# Altium PCB switching_board.PcbDoc
Units mil, origin at the board's own origin, x right, y up, seen from the top; angles counter-clockwise.
Board outline 3490 x 2380 mil, 2 copper layers (L1, L2), stack 62.756 mil thick; 45 components, 57 nets, 196 pads, 31 vias.
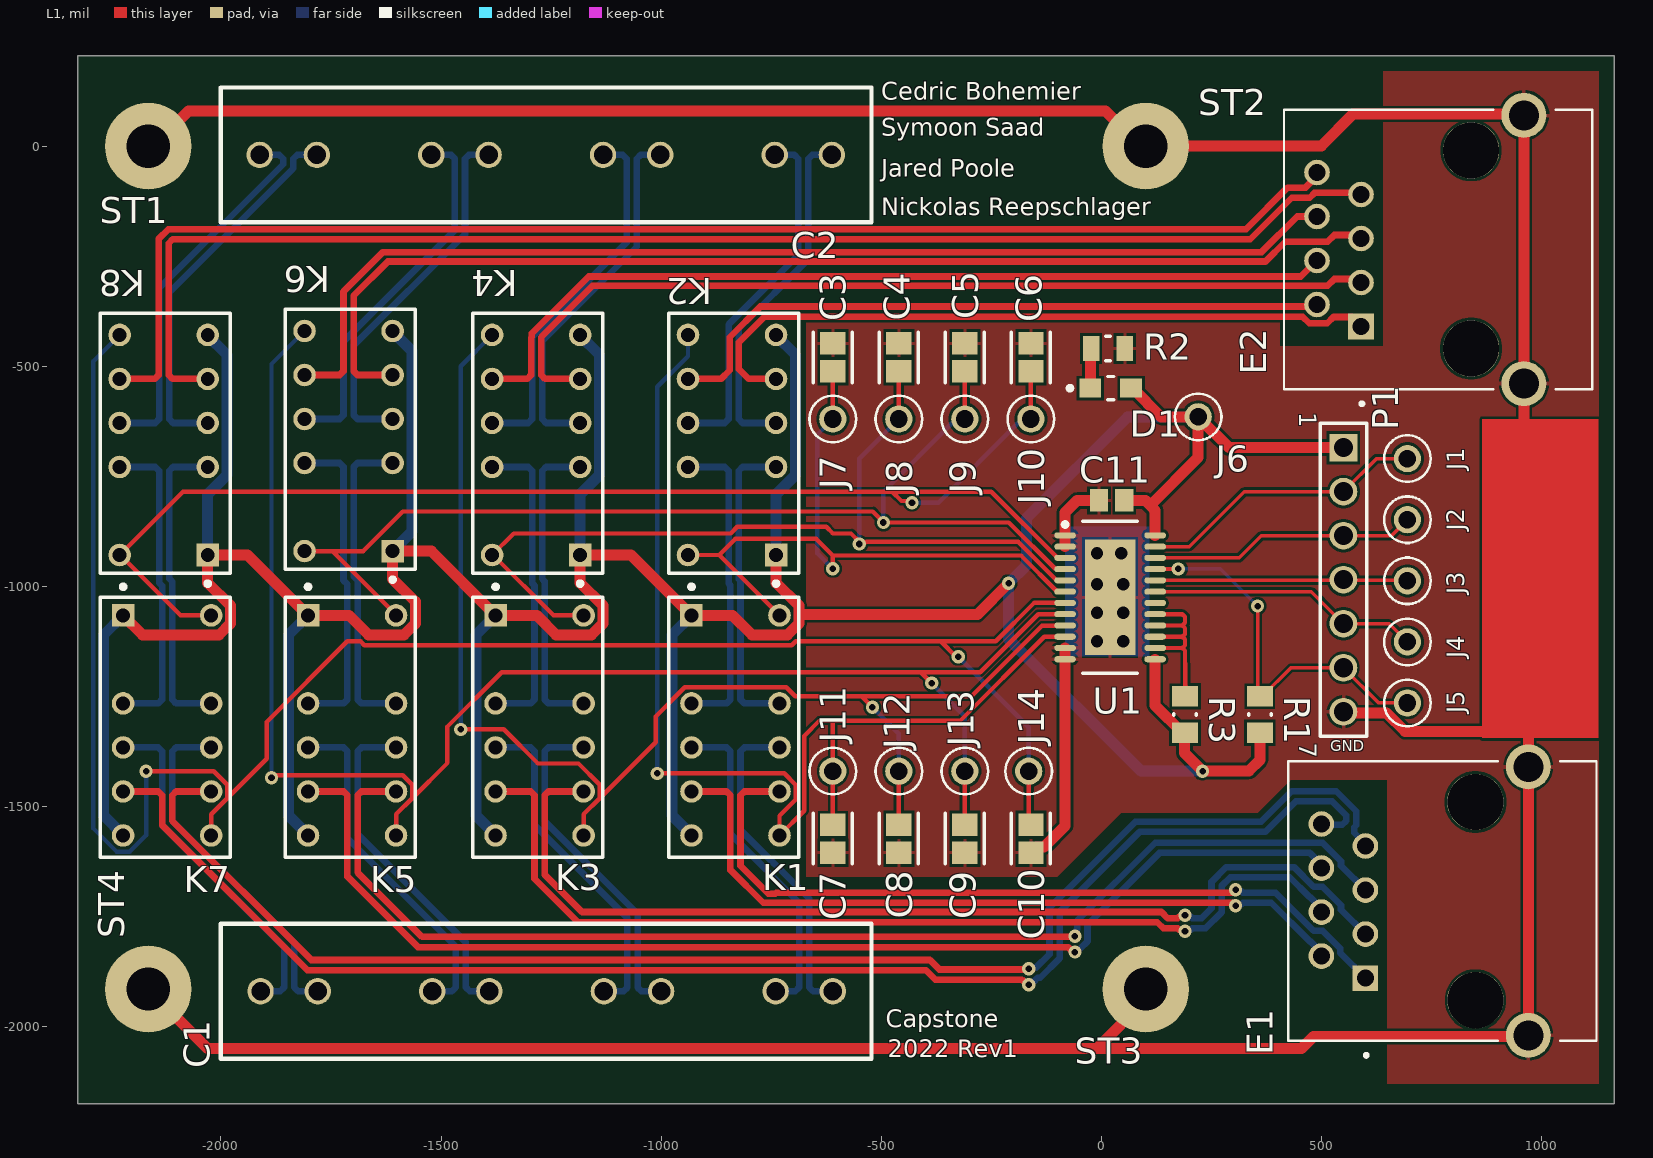
[diagram p0: L1 view]
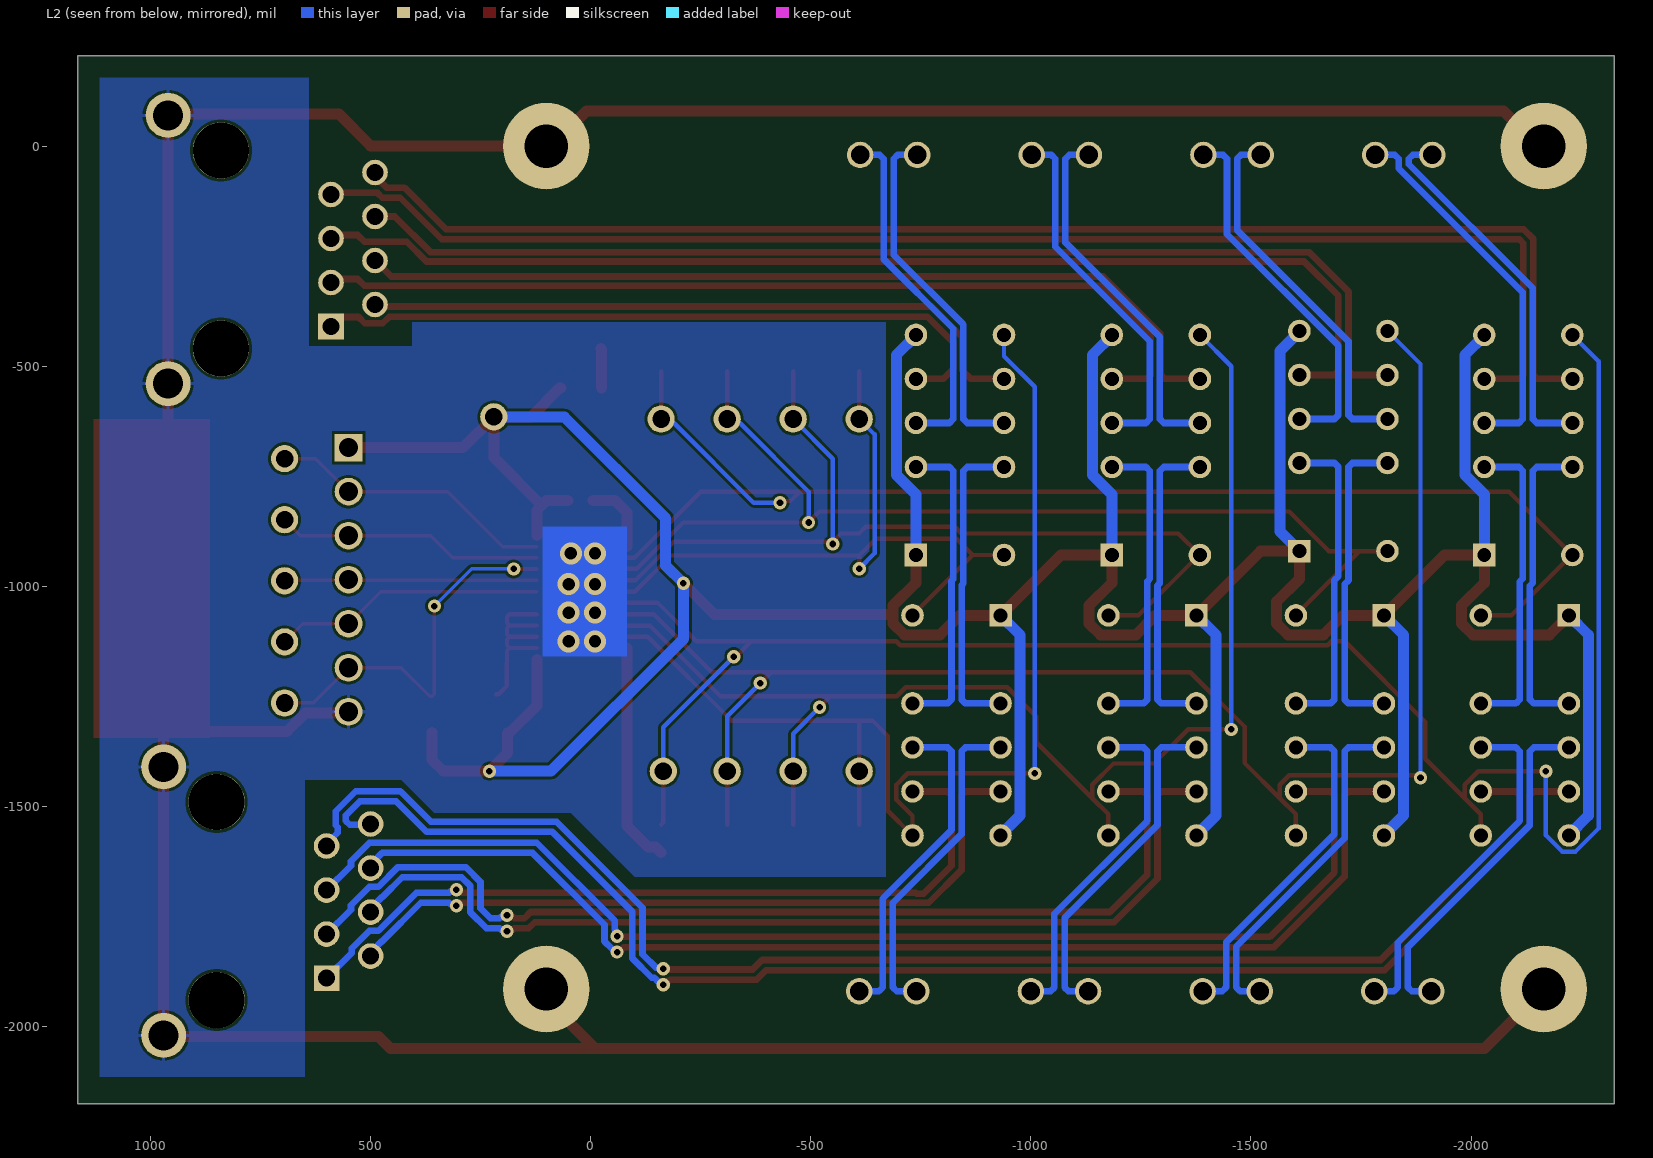
[diagram p1: L2 view, seen from below]
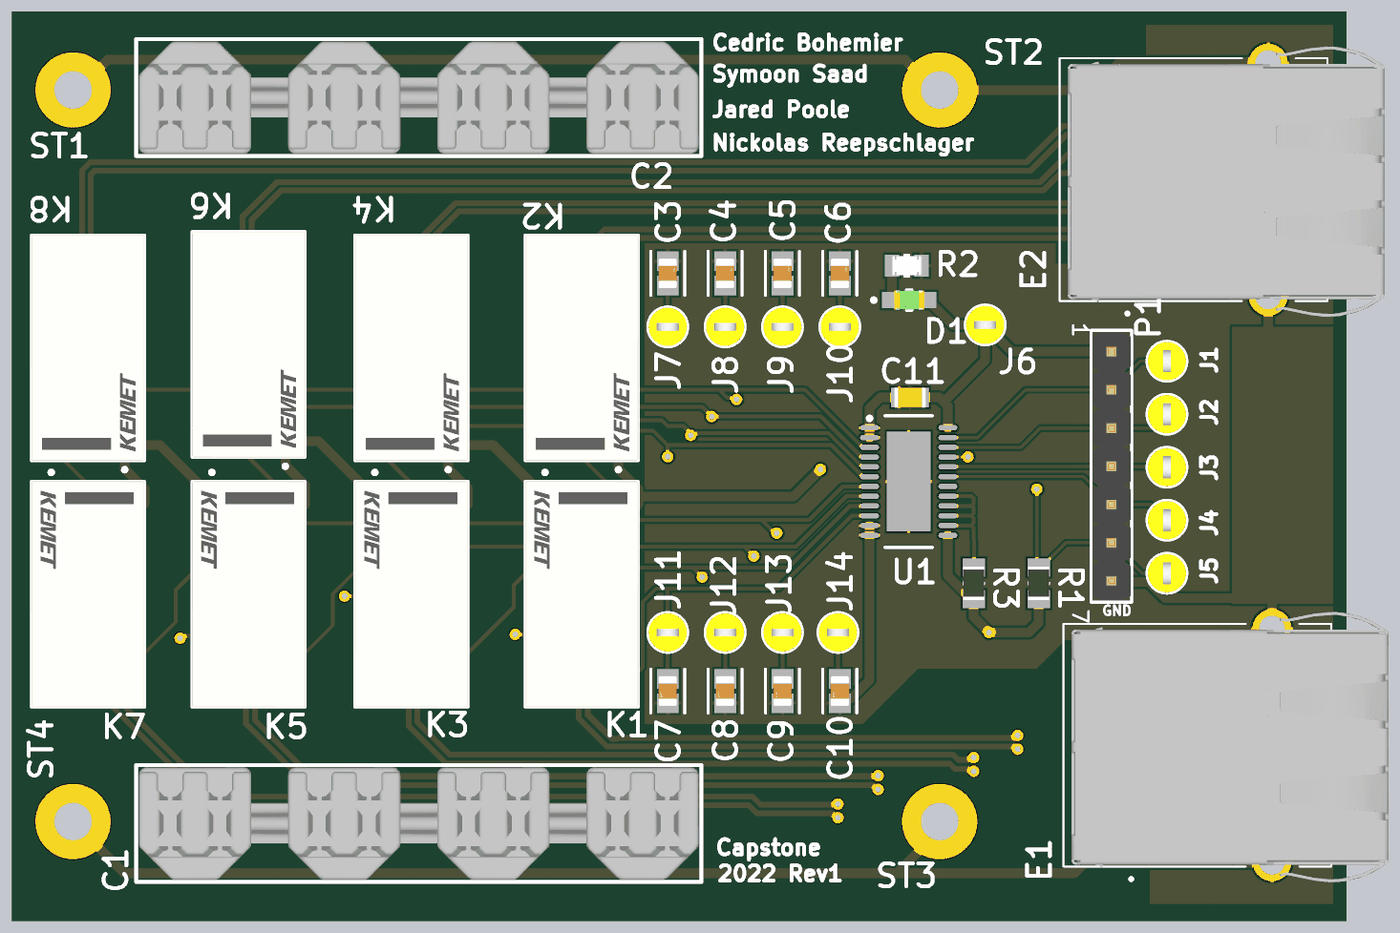
[diagram p2: 3D render of the assembled board from above, using the file's embedded part models]

## Layer stack, top to bottom
Top Solder: solder mask 0.1, Solder Resist, Dk 1
L1: signal copper 1.378
Core: dielectric 60, FR-4, Dk 4.6
L2: signal copper 1.378
Bottom Solder: solder mask 0.1, Solder Resist, Dk 1

## Board outline
-2325,-2175 -2325,205 1165,205 1165,-2175

## Design rules (kind name [scope] priority, off if disabled: settings)
BoardOutlineClearance [All] p1: gap=15 ignorepadtopadclearanceinfootprint=FALSE
Clearance [All] p1: gap=6 ignorepadtopadclearanceinfootprint=FALSE except(0: Arc-Hole Track-Hole SMDPad-Hole THPad-Hole Via-Hole Fill-Hole Poly-Hole Region-Hole Text-Hole)
ComponentClearance [All] p1: gap=1 collisioncheckmode=3 verticalgap=1 showdistances=FALSE
DiffPairsRouting [All] p1: maxlimit=393.7 minlimit=6 mostfreqgap=8 substack1={BBB14EE7-4036-4865-A1E7-7F95933931FE} toplayer_{bbb14ee7-4036-4865-a1e7-7f95933931fe}_minwidth=15 toplayer_{bbb14ee7-4036-4865-a1e7-7f95933931fe}_maxwidth=15 toplayer_{bbb14ee7-4036-4865-a1e7-7f95933931fe}_prefwidth=15 bottomlayer_{bbb14ee7-4036-4865-a1e7-7f95933931fe}_minwidth=15 bottomlayer_{bbb14ee7-4036-4865-a1e7-7f95933931fe}_maxwidth=15 bottomlayer_{bbb14ee7-4036-4865-a1e7-7f95933931fe}_prefwidth=15 toplayer_minwidth=6 toplayer_maxwidth=15 toplayer_prefwidth=8 bottomlayer_minwidth=6 bottomlayer_maxwidth=15 bottomlayer_prefwidth=8 maxuncoupledlength=500
HoleSize [All] p1: absolutevalues=TRUE maxlimit=265 minlimit=13 maxpercent=80.000 minpercent=20.000
HoleToHoleClearance [All] p1: gap=10 allowstackedmicrovias=FALSE
MinimumAnnularRing [All] p1: minimumring=7
MinimumSolderMaskSliver [All] p1: minsoldermaskwidth=0
PlaneClearance [All] p1: clearance=10
PlaneConnect [All] p1: planeconnectstyle=Relief reliefexpansion=16 reliefentries=2 reliefconductorwidth=6 reliefairgap=6
PolygonConnect [All] p1: connectstyle=Relief reliefconductorwidth=8 reliefentries=4 polygonreliefangle="90 Angle" airgapwidth=6
RoomDefinition Sheet2 [InComponentClass('Sheet2')] p1: confinementstyle=ConfineIn formatcopy=TRUE lockcomponents=FALSE outline -2985,-2275 1515,-2275 1515,425 -2985,425
RoutingCorners [All] p1: cornerstyle=45-Degree minsetback=49.21 maxsetback=49.21
RoutingVias [All] p1: holewidth=15 width=30 viastyle="Through Hole" minholewidth=13 minwidth=27 maxholewidth=100 maxwidth=114
SilkToSilkClearance [All] p1: silktosilkclearance=0
SilkToSolderMaskClearance [IsPad] p1: minsilkscreentomaskgap=6 clearancetoexposedcopper=TRUE
SolderMaskExpansion [All] p1: expansion=2.95 istentingtop=FALSE
Width [All] p1: maxlimit=400 minlimit=6 preferedwidth=8 substack1={BBB14EE7-4036-4865-A1E7-7F95933931FE}
20 further rules are at their usual default settings.

## Classes and differential pairs
component class Sheet2: C1 C2 C3 C4 C5 C6 C7 C8 C9 C10 C11 D1 E1 E2 J1 J2 J3 J4 J5 J6 J7 J8 J9 J10 J11 J12 J13 J14 K1 K2 K3 K4 K5 K6 K7 K8 P1 ST1 ST2 ST3 ST4 U1
differential pair A_HB_P1: +A_HB_P1_P -A_HB_P1_N
differential pair A-HB_P4: +A-HB_P4_P -A-HB_P4_N
differential pair A-HB_P3: +A-HB_P3_P -A-HB_P3_N
differential pair A-HB_P2: +A-HB_P2_P -A-HB_P2_N
differential pair A-HA_P4: +A-HA_P4_P -A-HA_P4_N
differential pair A-HA_P3: +A-HA_P3_P -A-HA_P3_N
differential pair A-HA_P2: +A-HA_P2_P -A-HA_P2_N
differential pair A-HA_P1: +A-HA_P1_P -A-HA_P1_N
differential pair P_P4: +P_P4_P -P_P4_N
differential pair P_P3: +P_P3_P -P_P3_N
differential pair P_P2: +P_P2_P -P_P2_N
differential pair P_P1: +P_P1_P -P_P1_N
differential pair HB_P4: +HB_P4_P -HB_P4_N
differential pair HB_P3: +HB_P3_P -HB_P3_N
differential pair HB_P2: +HB_P2_P -HB_P2_N
differential pair HB_P1: +HB_P1_P -HB_P1_N
differential pair HA_P4: +HA_P4_P -HA_P4_N
differential pair HA_P3: +HA_P3_P -HA_P3_N
differential pair HA_P2: +HA_P2_P -HA_P2_N
differential pair HA_P1: +HA_P1_P -HA_P1_N

## Components (designator, comment, footprint, x,y, rotation, side; value= is the part's Value field where it differs from the comment)
C1 "SS-51000-004" SS-51000-004-Footprint-1 -610,-1920 r180 top
C2 "SS-51000-004" SS-51000-004-Footprint-1 -1912,-20 r0 top
C3 "08055C472KAT2A" FP-0805-L_2_01_0_2-W_1_25-IPC_B -610,-480 r90 top
C4 "08055C472KAT2A" FP-0805-L_2_01_0_2-W_1_25-IPC_B -460,-480 r90 top
C5 "08055C472KAT2A" FP-0805-L_2_01_0_2-W_1_25-IPC_B -310,-480 r90 top
C6 "08055C472KAT2A" FP-0805-L_2_01_0_2-W_1_25-IPC_B -160,-480 r90 top
C7 "08055C472KAT2A" FP-0805-L_2_01_0_2-W_1_25-IPC_B -610,-1573.28 r270 top
C8 "08055C472KAT2A" FP-0805-L_2_01_0_2-W_1_25-IPC_B -460,-1573.28 r270 top
C9 "08055C472KAT2A" FP-0805-L_2_01_0_2-W_1_25-IPC_B -310,-1573.28 r270 top
C10 "08055C472KAT2A" FP-0805-L_2_01_0_2-W_1_25-IPC_B -160,-1573.28 r270 top
C11 "Capacitor 100 nF +/-10% 50 V 0805" CAPC2013X95X50LL10T25 23.54,-805 r0 top value=100nF
D1 "APT2012LZGCK" FP-APT2012LZGCK-MFG 21.26,-550 r0 top
E1 "SS-7188S-A-PG4-1-BA" SS-7188S-A-PG4-1-BA-Footprint-1 424.92,-2025.08 r90 top
E2 "SS-7188S-A-PG4-1-BA" SS-7188S-A-PG4-1-BA-Footprint-1 414.92,-544.92 r90 top
J1 "5004" FP-5004-MFG 695.31,-710 r90 top
J2 "5004" FP-5004-MFG 695.31,-848.75 r90 top
J3 "5004" FP-5004-MFG 695.31,-987.5 r90 top
J4 "5004" FP-5004-MFG 695.31,-1126.25 r90 top
J5 "5004" FP-5004-MFG 695.31,-1265 r90 top
J6 "5004" FP-5004-MFG 220,-615 r0 top
J7 "5004" FP-5004-MFG -610,-620 r180 top
J8 "5004" FP-5004-MFG -460,-620 r180 top
J9 "5004" FP-5004-MFG -310,-620 r180 top
J10 "5004" FP-5004-MFG -160,-620 r180 top
J11 "5004" FP-5004-MFG -610,-1420 r0 top
J12 "5004" FP-5004-MFG -460,-1420 r0 top
J13 "5004" FP-5004-MFG -310,-1420 r0 top
J14 "5004" FP-5004-MFG -165,-1420 r0 top
K1 "EC2-5TNU" FP-EC2-5TNU-MFG -835,-1320 r270 top
K2 "EC2-5TNU" FP-EC2-5TNU-MFG -835,-675 r90 top
K3 "EC2-5TNU" FP-EC2-5TNU-MFG -1280,-1320 r270 top
K4 "EC2-5TNU" FP-EC2-5TNU-MFG -1280,-675 r90 top
K5 "EC2-5TNU" FP-EC2-5TNU-MFG -1706.06,-1320 r270 top
K6 "EC2-5TNU" FP-EC2-5TNU-MFG -1706.06,-666.06 r90 top
K7 "EC2-5TNU" FP-EC2-5TNU-MFG -2126.06,-1320 r270 top
K8 "EC2-5TNU" FP-EC2-5TNU-MFG -2126.06,-675 r90 top
P1 "61300711121" 61300711121 550,-985 r270 top
R1 "Resistor 10k +/-1% 0805 125 mW" RESC2013X50X35ML15T15 360,-1291.34 r90 top value=10k
R2 "CRCW08051K20FKEA" FP-CRCW0805-e3-MFG 15,-460 r180 top
R3 "Resistor 10k +/-1% 0805 125 mW" RESC2013X50X35ML15T15 190,-1291.34 r270 top value=10k
ST1 "PTH-M2D5X5" PTH-M2D5X5 -2165,0 r0 top locked
ST2 "PTH-M2D5X5" PTH-M2D5X5 101,0 r0 top locked
ST3 "PTH-M2D5X5" PTH-M2D5X5 101,-1915 r0 top locked
ST4 "PTH-M2D5X5" PTH-M2D5X5 -2165,-1915 r90 top locked
U1 "TLE8108EM" INF-PG-SSOP-24-4_L 20,-1025 r0 top

## Footprints (in the part's own frame and the unit in brackets; to place one, negate y for a bottom-side part, rotate by r counter-clockwise, add the part's x,y. Pads: shape width x height; smd on the part's side, far side on the other; paste and mask are expansions set on the pad)
61300711121 [mm] "Pin Header, pitch 2.54 mm, THT, Vertical, single row, 7p"
  rect 1.6x1.6 hole 1.1: 1(-7.62,0)
  round 1.6 hole 1.1: 2(-5.08,0) 3(-2.54,0) 4(0,0) 5(2.54,0) 6(5.08,0) 7(7.62,0)
  silkscreen extent -9.04,-1.35 9.04,1.35, body extent -8.89,-1.27 8.89,1.27, height 8.57
CAPC2013X95X50LL10T25 [mm] "Chip Capacitor, 2-Leads, Body 2.10x1.35mm, IPC High Density"
  rect 1.05x1.3 smd: 1(-0.725,0) 2(0.725,0)
  body extent -1.05,-0.67 1.05,0.67, height 0.95
FP-0805-L_2_01_0_2-W_1_25-IPC_B [mil]
  rect 51.36x57.33 smd paste+0 mask+0: 1(-31.72,0) 2(31.72,0)
  silkscreen extent -57,-44 57,44, body extent -67,-39 67,39, height 10
FP-5004-MFG [mm]
  round 1.57 hole 1.02 paste-1000 mask+0: 1(0,0)
  silkscreen extent -1.34,-1.35 1.34,1.35, body extent -1.45,-1.45 1.45,1.45, height 0.25
FP-APT2012LZGCK-MFG [mm]
  rect 1.25x1.1 smd paste+0 mask+0: 1(-1.175,0) 2(1.175,0)
  silkscreen extent -2.47,-0.67 0.18,0.67, body extent -1.9,-0.77 1.9,0.77, height 0.25
FP-CRCW0805-e3-MFG [mm]
  rect 0.95x1.45 smd paste+0 mask+0: 1(-0.975,0) 2(0.975,0)
  silkscreen extent -0.13,-0.7 0.13,0.7, body extent -1.55,-0.82 1.55,0.82, height 0.25
FP-EC2-5TNU-MFG [mm]
  rect 1.3x1.3 hole 0.8 paste-1000 mask+0: 1(-6.45,-2.44)
  round 1.3 hole 0.8 paste-1000 mask+0: 3(-1.37,-2.44) 4(1.17,-2.44) 5(3.71,-2.44) 6(6.25,-2.44) 7(6.25,2.64) 8(3.71,2.64) 9(1.17,2.64) 10(-1.37,2.64) 12(-6.45,2.64)
  silkscreen extent -8.22,-3.75 7.5,3.75, body extent -7.6,-3.85 7.6,3.85, height 0.25
INF-PG-SSOP-24-4_L [mm] "SOP, 24-Leads, Body 8.65x3.9mm, Pitch 0.65mm, Thermal Pad 6.65x2.9mm, IPC High Density"
  oval 1.25x0.35 smd: 1(-2.6,3.575) 2(-2.6,2.925) 3(-2.6,2.275) 4(-2.6,1.625) 5(-2.6,0.975) 6(-2.6,0.325) 7(-2.6,-0.325) 8(-2.6,-0.975) 9(-2.6,-1.625) 10(-2.6,-2.275) 11(-2.6,-2.925) 12(-2.6,-3.575) 13(2.6,-3.575) 14(2.6,-2.925) 15(2.6,-2.275) 16(2.6,-1.625) 17(2.6,-0.975) 18(2.6,-0.325) 19(2.6,0.325) 20(2.6,0.975) 21(2.6,1.625) 22(2.6,2.275) 23(2.6,2.925) 24(2.6,3.575)
  rect 2.9x6.65 smd: 25(0,0)
  silkscreen extent -2.72,-4.37 1.58,4.37, body extent -2,-4.38 2,4.38, height 1.7
PTH-M2D5X5 [mm]
  round 5 hole 2.5: 1(0,0)
RESC2013X50X35ML15T15 [mm] "Chip Resistor, 2-Leads, Body 2.2x1.4mm, IPC Low Density"
  rect 1.2x1.5 smd: 1(-1.05,0) 2(1.05,0)
  silkscreen extent -0.05,-0.65 0.05,0.65, body extent -1.1,-0.7 1.1,0.7, height 0.5
SS-7188S-A-PG4-1-BA-Footprint-1 [mm]
  rect 1.478x1.478 hole 0.97: 1(3.429,-4.445)
  round 1.478 hole 0.97: 2(4.699,-1.905) 3(5.969,-4.445) 4(7.239,-1.905) 5(8.509,-4.445) 6(9.779,-1.905) 7(11.049,-4.445) 8(12.319,-1.905)
  round 3.25 hole 3.25 unplated: mech1(2.159,-10.795) mech2(13.589,-10.795)
  round 2.595 hole 1.73: S1(0.129,-13.845) S2(15.619,-13.845)
  silkscreen extent -1.13,-17.79 15.94,0.01, body extent -1.24,-21.56 16.74,-0.53, height 14.81
SS-51000-004-Footprint-1 [mil]
  round 60 hole 42: 1(0,0) 2(130,0) 3(390,0) 4(520,0) 5(780,0) 6(910,0) 7(1170,0) 8(1300,0)
  silkscreen extent -88,-153 1390,153, body extent -81,-147 1383,147, height 370

## Part data
C1 C2: library part CMP-002-00075-4, "Stewart Connector, Internal Part #: SS-51000-004"
C3 C4 C5 C6 C7 C8 C9 C10: library part CMP-1036-03594-3, "General Purpose Ceramic Capacitor, 0805, 4.7nF, 10%, X7R, 0.15, 50V", Capacitance=4.7nF, Case Code (Imperial)=0805, Case Code (Metric)=2012, Dielectric=X7R, Dielectric Material=Ceramic, Insulation Resistance=100GR, Max Operating Temperature=125°C, Min Operating Temperature=-55°C, Package Quantity=1, Tolerance=10%, Voltage=50V, Case/Package=0805, Construction=Flat, Contact Plating=Tin, Depth=1.25mm, Dissipation Factor=2.5%, Height=0.94mm, Lead Free="Lead Free", Length=2.01mm, Mount="Surface Mount", Number of Pins=2, Packaging="Tape and Reel", Radiation Hardening=No, REACH SVHC="No SVHC", RoHS Compliant=Yes, Series=-, Size=0.94mm, Termination=SMD/SMT, Thickness=0.037inch, Voltage Rating=50V, Voltage Rating (DC)=50V, Width=1.25mm
C11: library part CMP-001-00018-6, "Chip Capacitor, 100 nF, +/- 10%, 50 V, 0805 (2012 Metric)", Capacitor Type=Ceramic, Case/Package=0805, Max Operating Temperature=125°C, Min Operating Temperature=-55°C, Tolerance=10%, Voltage Rating=50V, Mounting Technology=SM, Pins=2, RoHS Compliant=True
D1: library part CMP-44529-000065-1, "LED GREEN CLEAR 2SMD", Case Code (Imperial)=0805, Case Code (Metric)=2012, Color=Green, Forward Voltage=2.65V, Lens Color=Colorless, Test Current=2mA, Case/Package=0805, Dominant Wavelength=525nm, Height=0.75mm, Lead Free="Lead Free", Length=2mm, Lens Transparency=Clear, Luminous Intensity=50mcd, Mount="Surface Mount", Packaging="Tape and Reel", RoHS Compliant=Yes, Viewing Angle=120°, Width=1.25mm
E1 E2: library part CMP-002-00072-1, "Conn Modular Jack F 8 POS 1.27mm Solder RA Thru-Hole 8 Terminal 1 Port"
J1 J2 J3 J4 J5 J6 J7 J8 J9 J10 J11 J12 J13 J14: library part CMP-2000-05575-2, "PC TEST POINT MINIATURE YELLOW", Manufacturer=Keystone, Automotive=No, Category=Conn, ComponentLink2Description=Datasheet, ComponentLink2URL=https://www.keyelco.com/product-pdf.cfm?p=1313, Contact Material=Silver, Device Class L1=Connectors, Device Class L2=unset, Device Class L3=unset, Digikey Description="PC TEST POINT MINIATURE YELLOW", Height=4.72mm, Is Female=yes, Lead Free=Yes, Manufacturer Part Number=5004, Mouser Description="TEST POINT PC MINI .040\"D YELLOW", Number Of Contacts=1, Octopart=https://octopart.com/5004-keystone-28591, Package=5004, RoHS=TRUE
K1 K2 K3 K4 K5 K6 K7 K8: library part CMP-03195-000012-1, "RELAY GEN PURPOSE DPDT 2A 5VDC", Coil Current=28mA, Coil Power=140mW, Coil Resistance=178R, Coil Voltage (DC)=5V, Contact Current Rating=2A, Max Operating Temperature=85°C, Max Voltage Rating (AC)=250V, Max Voltage Rating (DC)=220V, Min Operating Temperature=-40°C, Package Quantity=35, Coil Type="Latching, Dual Coil", Contact Material=Gold, Current Rating=2A, Depth=7.5mm, Height=9.4mm, Length=15mm, Max Current Rating=2A, Mount="Through Hole", Number of Pins=10, Number of Poles=1, Operate Time=2ms, Packaging=Rail/Tube, Power Consumption=140mW, Radiation Hardening=No, REACH SVHC="No SVHC", Relay Type="General Purpose", Release Time=1ms, RoHS Compliant=Yes, Termination="PC Pin", Throw Configuration=DPDT
P1: library part CMP-1502-01074-1, "THT Vertical Pin Header WR-PHD, Pitch 2.54 mm, Single Row, 7 pins", Contact Resistance=20mOhm, Manufacturer="Wurth Elektronik", Operating Temperature=-40to105degC, Rated Current=3A, Withstanding Voltage=500VAC, Working Voltage=250VAC, Datasheet URL=https://katalog.we-online.de/em/datasheet/6130xx11121.pdf, Gender=Male, Manufacturer URL=http://www.we-online.de, Mounting Technology=THT, Orientation=Vertical, Package Reference=61300711121, Packaging=Bag, Part Number=61300711121, Pin Number=7, Pitch=2.54mm, Publisher=WurthElektronik, Row Number=Single
R1 R3: library part CMP-009-00018-5, "Chip Resistor, 10 KOhm, +/- 1%, 125 mW, -55 to 155 degC, 0805 (2012 Metric)", Case/Package=0805, Max Operating Temperature=155°C, Min Operating Temperature=-55°C, Power=125mW, Tolerance=1%, Voltage Rating=150V, Mounting Technology=SM, Pins=2, RoHS Compliant=True
R2: library part CMP-2001-03607-2, "RES Thick Film, 1.2kΩ, 1%, 0.125W, 100ppm/°C, 0805", Case Code (Imperial)=0805, Case Code (Metric)=2012, Max Operating Temperature=155°C, Max Power Dissipation=125mW, Min Operating Temperature=-55°C, Package Quantity=10, Resistance=1.2kR, Temperature Coefficient=100ppm/°C, Tolerance=1%, Voltage Rating=150V, Case/Package=0805, Composition="Thick Film", Contact Plating=Tin, Depth=1.25mm, Features="Automotive AEC-Q200", Height=0.45mm, Lead Free="Lead Free", Length=2mm, Military Standard=Not, Number of Terminations=2, Packaging="Tape and Reel", Power Rating=125mW, Radiation Hardening=No, Termination=SMD/SMT, Voltage Rating (DC)=150V, Weight=0.000194oz, Width=0.049inch
ST1 ST2 ST3 ST4: library part CMP-00028-00004-2, "M2 PTH (2.5mm), 5mm pad", Pins=1
U1: library part CMP-1097-00013-1, "Smart 8 Channel Low Side Relay Driver with SPI Interface with Limitation Over-Current Protection, -40 to 150 degC, PG-SSOP-24-4, Reel, Green", Manufacturer=Infineon, Over-Current Protection=Limitation, Channels=8, ComponentLink1Description="Manufacturer URL", ComponentLink1URL=http://www.infineon.com/, ComponentLink2Description=Datasheet, ComponentLink2URL=http://www.infineon.com/dgdl/TLE8108EM-v1.0-Data-Sheet.pdf?folderId=db3a30431400ef68011421b54e2e0564&fileId=db3a30433004641301302bf77ce863a2&sId=db3a30443d67b5ca013d7df33535290c, ComponentLink3Description="Package Specification", ComponentLink3URL=http://www.infineon.com/dgdl/TLE8088EM_DS_10.pdf?folderId=db3a30431b3e89eb011bb632994f065b&fileId=db3a30433a047ba0013a446e76be0bbb&location=en.Products.Automotive_ICs.Powertrain_ICs.Power_Interface_Products_for_Motorcycle_and_Small_Engines.DATASHEET.TLE808, DatasheetVersion="Rev. 1.0", Green=TRUE, Halogen-free=TRUE, Mounting Technology="Surface Mount", PackageDescription="24-Pin Plastic (Green) Shrink Small Outline Package, 8.65 x 3.9 mm Body, 0.65 mm Pitch", PackageReference=PG-SSOP-24-4, PackageVersion=Oct-12, Packing=Reel, PartNumber=TLE8108EM, Thermal class="Exposed Pad", toff (max)="50 us", ton (max)="50 us", VDD="5 V", VDS(CL)="45 V", VDS(CL) (min)="41 V"

## Via types
v1: diameter 30, hole 15, L1 to L2, 23 vias
v2: diameter 50, hole 28, L1 to L2, 8 vias

## Nets (pads, with @x,y where several pads share a name; then routed paths per layer and width w, separated by ;. In a path a pad name is that pad's centre, name@x,y a point inside that pad or via, vN(x,y) a via of type N, cw(c..) or ccw(c..) an arc to the next point about the centre after c; other vN are vias at no path point)
A-HA_P1_N: E1.2 K1.5 | length 1695.5
  L1 w15: K1.5 -851.35,-1466.06 -842.56,-1474.85 -842.56,-1644.53 -768.09,-1719 298.5,-1719 v1(305,-1725.5)
  L2 w15: v1(305,-1725.5) 307.87,-1722.63 317.66,-1722.63 321.29,-1719 386.08,-1719 472.75,-1805.67 473.79,-1805.67 499.92,-1831.81 E1.2
A-HA_P1_P: E1.1 K1.8 | length 1790.5
  L1 w15: K1.8 -810.78,-1466.06 -819.56,-1474.85 -819.56,-1635 -756.56,-1698 -740.46,-1698 -738.46,-1696 298.5,-1696 v1(305,-1689.5)
  L2 w15: v1(305,-1689.5) 307.87,-1692.37 317.66,-1692.37 321.29,-1696 395.6,-1696 482.28,-1782.67 502.75,-1782.67 542.52,-1822.44 542.52,-1832.67 E1.1
A-HA_P2_N: E1.4 K3.5 | length 2242
  L1 w15: K3.5 -1296.35,-1466.06 -1287.56,-1474.85 -1287.56,-1664.53 -1189.09,-1763 127.03,-1763 141.03,-1777 173.71,-1777 177.34,-1780.63 187.13,-1780.63 v1(190,-1783.5)
  L2 w15: v1(190,-1783.5) 192.87,-1780.63 202.66,-1780.63 206.29,-1777 237.03,-1777 273.24,-1740.78 273.24,-1680.95 293.19,-1661 428.08,-1661 472.75,-1705.67 473.79,-1705.67 499.92,-1731.81 E1.4
A-HA_P2_P: E1.3 K3.8 | length 2335.3
  L1 w15: K3.8 -1255.78,-1466.06 -1264.56,-1474.85 -1264.56,-1655 -1179.56,-1740 136.56,-1740 150.56,-1754 173.71,-1754 177.34,-1750.37 187.13,-1750.37 v1(190,-1747.5)
  L2 w15: v1(190,-1747.5) 192.87,-1750.37 202.66,-1750.37 206.29,-1754 227.5,-1754 250.24,-1731.26 250.24,-1671.43 283.67,-1638 437.6,-1638 482.28,-1682.67 502.75,-1682.67 544.53,-1724.45 544.53,-1734.69 E1.3
A-HA_P3_N: E1.6 K5.5 | length 2694.9
  L1 w15: K5.5@-1801.06,-1466.06 -1721.35,-1466.06 -1712.56,-1474.85 -1712.56,-1659.53 -1552.53,-1819.56 -75.5,-1819.56 -64.06,-1831 v1(-60,-1831)
  L2 w15: v1(-60,-1831) -55.94,-1831 -48.44,-1823.5 -48.19,-1823.5 -31.5,-1806.8 -31.5,-1769.03 131.85,-1605.67 473.79,-1605.67 499.92,-1631.81 E1.6
A-HA_P3_P: E1.5 K5.8 | length 2774.1
  L1 w15: K5.8@-1601.06,-1466.06 K5.8 -1680.78,-1466.06 -1689.56,-1474.85 -1689.56,-1650 -1543,-1796.56 -61.56,-1796.56 v1(-60,-1795)
  L2 w15: v1(-60,-1795) -57.13,-1792.13 -57.13,-1781.52 -54.5,-1778.89 -54.5,-1759.5 122.33,-1582.67 502.75,-1582.67 544.53,-1624.45 544.53,-1634.69 E1.5
A-HA_P4_N: E1.8 K7.5 | length 3320.6
  L1 w15: K7.5 -2142.41,-1466.07 -2133.62,-1474.85 -2133.62,-1542.37 -1803.99,-1872.01 -398.84,-1872.01 -377.28,-1893.56 -180.5,-1893.56 -169.06,-1905 v1(-165,-1905)
  L2 w15: v1(-165,-1905) -160.94,-1905 -153.44,-1897.5 -153.19,-1897.5 -144.82,-1889.13 -138.52,-1889.13 -94.74,-1845.34 -94.74,-1739.74 87,-1558 372.39,-1558 441.9,-1488.48 524.34,-1488.48 556.32,-1520.46 556.32,-1532.89 547.53,-1541.67 501.52,-1541.67 E1.8
A-HA_P4_P: E1.7 K7.8 | length 3320.1
  L1 w15: K7.8 -2101.84,-1466.07 -2110.62,-1474.85 -2110.62,-1532.85 -1794.46,-1849.01 -389.31,-1849.01 -367.76,-1870.56 -166.56,-1870.56 v1(-165,-1869)
  L2 w15: v1(-165,-1869) -162.13,-1866.13 -148.05,-1866.13 -117.74,-1835.81 -117.74,-1730.21 77.47,-1535 362.86,-1535 432.38,-1465.48 533.87,-1465.48 579.32,-1510.93 579.32,-1542.41 574.46,-1547.27 574.46,-1559.7 599.92,-1585.16 E1.7
A-HB_P2_N: E2.4 K4.8 | length 2039.7
  L1 w15: K4.8 -1304.22,-528.94 -1295.44,-520.15 -1295.44,-435 -1293.44,-433 -1293.44,-425.3 -1164.46,-296.33 453.21,-296.33 489.62,-259.92 E2.4
A-HB_P2_P: E2.3 K4.5 | length 2098.7
  L1 w15: K4.5 -1263.65,-528.94 -1272.44,-520.15 -1272.44,-434 -1155.76,-317.33 513.92,-317.33 529.37,-301.88 581.88,-301.88 E2.3
A-HB_P3_N: E2.6 K6.8 | length 2554.9
  L1 w15: K6.8 -1730.29,-520 -1721.5,-511.21 -1721.5,-330.47 -1631.92,-240.89 364.11,-240.89 445.08,-159.92 E2.6
A-HB_P3_P: E2.5 K6.5 | length 2612.3
  L1 w15: K6.5 -1689.71,-520 -1698.5,-511.21 -1698.5,-340 -1620.61,-262.11 372.89,-262.11 417.67,-217.33 513.92,-217.33 529.37,-201.88 581.88,-201.88 E2.5
A-HB_P4_N: E2.8 K8.8 | length 3100.1
  L1 w15: K8.8 -2150.28,-528.94 -2141.5,-520.15 -2141.5,-211.05 -2119.24,-188.79 328.69,-188.79 423.15,-94.33 463.79,-94.33 489.92,-68.19 E2.8
A-HB_P4_P: E2.7 K8.5 | length 3148.9
  L1 w15: K8.5 -2109.71,-528.94 -2118.5,-520.15 -2118.5,-220.57 -2109.71,-211.79 338.21,-211.79 432.67,-117.33 473.31,-117.33 484.29,-106.35 586.35,-106.35 E2.7
A_HB_P1_N: E2.2 K2.8 | length 1542.8
  L1 w15: K2.8 -863.94,-528.94 -844.22,-509.22 -844.22,-434.26 -774.46,-364.5 485.34,-364.5 E2.2
A_HB_P1_P: E2.1 K2.5 | length 1612.8
  L1 w15: K2.5 -801.06,-528.94 -823.22,-506.78 -823.22,-445.79 -764.94,-387.5 457.26,-387.5 472.28,-402.52 513.21,-402.52 527.4,-388.33 568.33,-388.33 E2.1
CS: J1.1 P1.2 U1.23 | length 655.9
  L1 w8: U1.23 122.52,-910 200,-910 325,-785 P1.2 625,-710 J1.1
D1_cathode: D1.1 R2.2 | length 90.7
  L1 w25: D1.1 -24.19,-549.19 -24.19,-460.81 R2.2
GND: C3.2 C4.2 C5.2 C6.2 C7.2 C8.2 C9.2 C10.2 C11.1 E1.S1 E1.S2 E2.S1 E2.S2 P1.7 R2.1 ST1.1 ST2.1 ST3.1 ST4.1 U1.1 U1.2 U1.11 U1.12 U1.25 | length 9047
  L1 w25: ST4.1 -2030,-2050 -10,-2050 ; ST1.1 -2153.48,0 -2073.48,80 9.48,80 89.48,0 499.65,0 572.21,72.56 957.44,72.56 E2.S2 E2.S1 960,-645 970,-655 ; C10.2 -146.82,-1591.82 -129.76,-1591.82 -82.36,-1544.42 U1.12 U1.11 ; U1.2 U1.1 -82.36,-832.36 -55,-805 C11.1 ; ST3.1 101,-1939 -10,-2050 ; P1.7 552.5,-1287.5 647.95,-1287.5 690.45,-1330 879.38,-1330 ; 970,-1330 E1.S2 E1.S1 967.44,-2022.56 482,-2022.56 454.56,-2050 -10,-2050
  other v2: -10,-1125 50,-1125 -10,-1060 50,-1060 -10,-995 50,-995 -10,-925 45,-925
HA_P1_N: C1.2 K1.4 | length 750.3
  L2 w15: K1.4 -851.35,-1366.06 -842.56,-1374.85 -842.56,-1563.03 -686.5,-1719.09 -686.5,-1911.21 -695.29,-1920 C1.2
HA_P1_P: C1.1 K1.9 | length 750.3
  L2 w15: K1.9 -810.78,-1366.06 -819.56,-1374.85 -819.56,-1553.5 -663.5,-1709.56 -663.5,-1911.21 -654.71,-1920 C1.1
HA_P2_N: C1.4 K3.4 | length 773.1
  L2 w15: K3.4 -1296.35,-1366.06 -1287.56,-1374.85 -1287.56,-1542.37 -1076.5,-1753.44 -1076.5,-1911.21 -1085.29,-1920 C1.4
HA_P2_P: C1.3 K3.9 | length 773.1
  L2 w15: K3.9 -1255.78,-1366.06 -1264.56,-1374.85 -1264.56,-1532.85 -1053.5,-1743.91 -1053.5,-1911.21 -1044.71,-1920 C1.3
HA_P3_N: C1.6 K5.4 | length 787.6
  L2 w15: K5.4@-1801.06,-1366.06 -1721.35,-1366.06 -1712.56,-1374.85 -1712.56,-1572.44 -1466.5,-1818.5 -1466.5,-1911.21 -1475.29,-1920 C1.6
HA_P3_P: C1.5 K5.9 | length 787.6
  L2 w15: K5.9@-1601.06,-1366.06 -1680.78,-1366.06 -1689.56,-1374.85 -1689.56,-1562.91 -1443.5,-1808.97 -1443.5,-1911.21 -1434.71,-1920 C1.5
HA_P4_N: C1.8 K7.4 | length 800.4
  L2 w15: K7.4 -2142.41,-1366.07 -2133.62,-1374.85 -2133.62,-1542.37 -1856.5,-1819.5 -1856.5,-1911.21 -1865.29,-1920 C1.8
HA_P4_P: C1.7 K7.9 | length 800.4
  L2 w15: K7.9 -2101.84,-1366.07 -2110.62,-1374.85 -2110.62,-1532.85 -1833.5,-1809.97 -1833.5,-1911.21 -1824.71,-1920 C1.7
HB_P1_N: C2.7 K2.9 | length 806.2
  L2 w15: K2.9@-935.23,-628.94 -855.51,-628.94 -846.73,-620.15 -846.73,-405.56 -688.5,-247.33 -688.5,-28.79 -697.29,-20 C2.7
HB_P1_P: C2.8 K2.4 | length 806.2
  L2 w15: K2.4@-735.23,-628.94 -814.94,-628.94 -823.73,-620.15 -823.73,-415.08 -665.5,-256.85 -665.5,-28.79 -656.71,-20 C2.8
HB_P2_N: C2.5 K4.9 | length 829.6
  L2 w15: K4.9@-1381.67,-628.94 -1301.95,-628.94 -1293.17,-620.15 -1293.17,-433.77 -1078.5,-219.11 -1078.5,-28.79 -1087.29,-20 C2.5
HB_P2_P: C2.6 K4.4 | length 829.6
  L2 w15: K4.4@-1181.67,-628.94 -1261.38,-628.94 -1270.17,-620.15 -1270.17,-443.3 -1055.5,-228.64 -1055.5,-28.79 -1046.71,-20 C2.6
HB_P3_N: C2.3 K6.9 | length 836.5
  L2 w15: K6.9 -1730.29,-620 -1721.5,-611.21 -1721.5,-443.69 -1468.5,-190.69 -1468.5,-28.79 -1477.29,-20 C2.3
HB_P3_P: C2.4 K6.4 | length 836.5
  L2 w15: K6.4 -1689.71,-620 -1698.5,-611.21 -1698.5,-453.22 -1445.5,-200.22 -1445.5,-28.79 -1436.71,-20 C2.4
HB_P4_N: C2.1 K8.9 | length 857.4
  L2 w15: K8.9@-2228.94,-628.94 -2149.22,-628.94 -2140.44,-620.15 -2140.44,-323.15 -1858.5,-41.21 -1858.5,-28.79 -1867.29,-20 C2.1
HB_P4_P: C2.2 K8.4 | length 857.4
  L2 w15: K8.4@-2028.94,-628.94 -2108.65,-628.94 -2117.44,-620.15 -2117.44,-332.68 -1835.5,-50.74 -1835.5,-28.79 -1826.71,-20 C2.2
NetR3_1: R3.1 U1.14 U1.15 U1.16 U1.17 | length 459.5
  L1 w10: U1.14 184.14,-1140.16 ; U1.15 184.14,-1114.57 ; U1.16 183.98,-1088.98 ; U1.17 184.14,-1063.39 190,-1069.24 190,-1082.95 183.98,-1088.98 ; R3.1@215,-1245 209.09,-1245 190.47,-1226.38 190.47,-1175.47 190,-1175 190,-1146.02 184.14,-1140.16 ; 183.98,-1088.98 190,-1095 190,-1108.71 184.14,-1114.57 ; 184.14,-1140.16 190,-1134.3 190,-1120.43 184.14,-1114.57
P1_RST: C7.1 J11.1 K1.7 K2.7 U1.10 | length 2652
  L1 w10: v1(-1008.65,-1425) -720.38,-1425 -694.47,-1450.91 -694.47,-1484.62 -731.06,-1521.21 K1.7 -675,-1510 -675,-1340 -640,-1305 -610,-1305 ; C7.1 J11.1 -610,-1305 ; U1.10 -129.57,-1114.57 -320,-1305 -610,-1305
  L2 w10: v1(-1008.65,-1425) -1008.65,-546.91 -938.94,-477.19 K2.7
P1_SET: C3.1 J7.1 K1.12 K2.12 U1.6 | length 1622.6
  L1 w10: K2.12 -868.19,-928.94 ; K1.12 -868.19,-928.94 ; v1(-610,-960) -610,-930 ; J7.1 C3.1 ; U1.6 -100.08,-1012.2 -182.28,-930 -610,-930 ; -868.19,-928.94 -831.6,-892.35 -647.65,-892.35 -610,-930
  L2 w10: v1(-610,-960) -645,-925 -645,-655 J7.1
P2_RST: C8.1 J12.1 K3.7 K4.7 U1.9 | length 3021.1
  L1 w10: v1(-1455,-1325) -1357.48,-1325 -1279.83,-1402.65 -1187.73,-1402.65 -1139.47,-1450.91 -1139.47,-1481.22 ; K3.7 -1176.06,-1517.81 -1139.47,-1481.22 ; v1(-520,-1275) -545,-1250 ; C8.1 J12.1 ; U1.9 -83.09,-1089.7 -134.7,-1089.7 -295,-1250 -545,-1250 ; -1139.47,-1481.22 -1012.47,-1354.21 -1012.47,-1295.72 -946.22,-1229.47 -715.91,-1229.47 -695.38,-1250 -545,-1250
  L2 w10: v1(-1455,-1325) -1455,-500 K4.7 ; v1(-520,-1275) -460,-1335 J12.1
P2_SET: C4.1 J8.1 K3.12 K4.12 U1.5 | length 2079.4
  L1 w10: K3.12 -1244.54,-1066.06 -1381.67,-928.94 K4.12 -1335,-880 -841.88,-880 -826.88,-865 -624.72,-865 -609.72,-880 -568.59,-880 v1@-550,-898.59 ; v1(-550,-904) v1@-550,-898.59 ; J8.1 C4.1 ; U1.5 -101.01,-986.61 -189.04,-898.59 -534.14,-898.59 -535.73,-900.17 -548.41,-900.17 v1@-550,-898.59
  L2 w10: v1(-550,-904) -550,-710 J8.1
P3_RST: C9.1 J13.1 K5.7 K6.7 U1.8 | length 3599.5
  L1 w10: v1(-1885,-1435) -1879.59,-1435 -1874.06,-1429.47 -1586.97,-1429.47 -1565.54,-1450.91 -1565.54,-1481.22 ; K5.7 -1602.13,-1517.81 -1565.54,-1481.22 ; v1(-385,-1220) -410,-1195 ; C9.1 J13.1 ; U1.8 -143.39,-1063.39 -275,-1195 -410,-1195 ; -1565.54,-1481.22 -1485.51,-1401.19 -1485.51,-1318.74 -1361.77,-1195 -410,-1195
  L2 w10: v1(-1885,-1435) -1885,-495 K6.7 ; v1(-385,-1220) -310,-1295 J13.1
P3_SET: C5.1 J9.1 K5.12 K6.12 U1.4 | length 2457.7
  L1 w10: K6.12 -1747.13,-920 ; K5.12@-1601.06,-1066.06 -1747.13,-920 ; J9.1 C5.1 ; U1.4 -83.09,-960.3 -104.7,-960.3 -210,-855 v1(-495,-855) -495,-854.5 -519.5,-830 -1586.74,-830 -1676.74,-920 -1747.13,-920
  L2 w10: v1(-495,-855) -495,-785 -339.91,-629.91 -319.91,-629.91 J9.1
P4_RST: C10.1 J14.1 K7.7 K8.7 U1.7 | length 4423.4
  L1 w10: v1(-2170,-1420) -2016.44,-1420 -1985.53,-1450.91 -1985.53,-1481.22 ; K7.7 -2022.12,-1517.81 -1985.53,-1481.22 ; v1(-325,-1160) -330,-1160 -365,-1125 ; J14.1 -165,-1536.55 C10.1 ; U1.7 -152.8,-1037.8 -240,-1125 -365,-1125 ; -1985.53,-1481.22 -1896.03,-1391.72 -1896.03,-1308.22 -1712.81,-1125 -1682.79,-1125 -1674.14,-1133.65 -703.07,-1133.65 -694.41,-1125 -365,-1125
  L2 w10: K8.7 -2289.71,-488.65 -2289.71,-1550.22 -2237.28,-1602.66 -2206.97,-1602.66 -2170,-1565.69 v1(-2170,-1420) ; v1(-325,-1160) -165,-1320 J14.1
P4_SET: C6.1 J10.1 K7.12 K8.12 U1.3 | length 3045.5
  L1 w10: K8.12 -2086.06,-785 -475,-785 ; K8.12@-2228.94,-928.94 -2091.81,-1066.07 K7.12 ; v1(-430,-810) -433.83,-806.17 -453.83,-806.17 -475,-785 ; J10.1 C6.1 ; U1.3 -99.79,-935.43 -250.22,-785 -385,-785 -390,-785 -475,-785
  L2 w10: v1(-430,-810) -370,-810 -189.91,-629.91 -169.91,-629.91 J10.1
P_P1_N: K1.3 K2.10 | length 705.6
  L2 w15: K2.10@-935.23,-728.94 -855.51,-728.94 -846.73,-737.72 -846.73,-993.44 -842.56,-997.61 -842.56,-1257.28 -851.35,-1266.06 K1.3
P_P1_P: K1.10 K2.3 | length 705.6
  L2 w15: K2.3@-735.23,-728.94 -814.94,-728.94 -823.73,-737.72 -823.73,-983.92 -819.56,-988.08 -819.56,-1257.28 -810.78,-1266.06 K1.10
P_P2_N: K3.3 K4.10 | length 706.2
  L2 w15: K4.10@-1381.67,-728.94 -1301.95,-728.94 -1293.17,-737.72 -1293.17,-992.73 -1287.56,-998.33 -1287.56,-1257.28 -1296.35,-1266.06 K3.3
P_P2_P: K3.10 K4.3 | length 706.2
  L2 w15: K4.3@-1181.67,-728.94 -1261.38,-728.94 -1270.17,-737.72 -1270.17,-983.2 -1264.56,-988.8 -1264.56,-1257.28 -1255.78,-1266.06 K3.10
P_P3_N: K5.3 K6.10 | length 716.5
  L2 w15: K6.10 -1730.29,-720 -1721.5,-728.79 -1721.5,-986.59 -1712.56,-995.53 -1712.56,-1257.28 -1721.35,-1266.06 K5.3@-1801.06,-1266.06
P_P3_P: K5.10 K6.3 | length 716.5
  L2 w15: K6.3 -1689.71,-720 -1698.5,-728.79 -1698.5,-977.06 -1689.56,-986 -1689.56,-1257.28 -1680.78,-1266.06 K5.10@-1601.06,-1266.06
P_P4_N: K7.3 K8.10 | length 706.7
  L2 w15: K8.10@-2228.94,-728.94 -2149.22,-728.94 -2140.44,-737.72 -2140.44,-992.12 -2133.62,-998.93 -2133.62,-1257.28 -2142.41,-1266.07 K7.3
P_P4_P: K7.10 K8.3 | length 706.7
  L2 w15: K8.3@-2028.94,-728.94 -2108.65,-728.94 -2117.44,-737.72 -2117.44,-982.59 -2110.62,-989.41 -2110.62,-1257.28 -2101.84,-1266.07 K7.10
RST: J5.1 P1.6 R1.2 U1.21 | length 870.4
  L1 w8: U1.21 122.66,-960.73 174.7,-960.73 v1(175,-960.43) ; v1(355,-1045) 355,-1245 R1.2 365.91,-1250 430.91,-1185 P1.6 630,-1265 J5.1
  L2 w8: v1(175,-960.43) 270.43,-960.43 v1(355,-1045)
SCLK: J3.1 P1.4 U1.20 | length 574.7
  L1 w8: U1.20 123.17,-985.81 549.19,-985.81 P1.4 551.25,-986.25 694.06,-986.25 J3.1
SI: J2.1 P1.3 U1.22 | length 608.9
  L1 w8: U1.22 313.16,-935.43 363.6,-885 P1.3 659.06,-885 J2.1
SO: J4.1 P1.5 U1.19 | length 620.2
  L1 w8: U1.19 477.2,-1012.2 P1.5 654.06,-1085 J4.1
VCC: C11.2 D1.2 J6.1 K1.1 K1.6 K2.1 K2.6 K3.1 K3.6 K4.1 K4.6 K5.1 K5.6 K6.1 K6.6 K7.1 K7.6 K8.1 K8.6 P1.1 R1.1 R3.2 U1.13 U1.24 | length 10265.7
  L1 w25: K7.6 K7.6@-2222.12,-1565.02 ; K7.1 -2178.03,-1110.16 -2003.86,-1110.16 -1978.03,-1084.33 -1978.03,-1043.99 -2030,-992.03 K8.1 -1939.25,-928.94 K5.1 -1708.49,-1066.06 -1664.4,-1110.15 -1583.86,-1110.15 -1558.04,-1084.33 -1558.04,-1035.06 -1610,-983.09 K6.1 -1522.13,-920 K3.1 -1282.43,-1066.06 -1238.34,-1110.15 -1157.8,-1110.15 -1131.97,-1084.33 -1131.97,-1043.99 -1183.94,-992.03 K4.1 -1068.19,-928.94 K1.1 -837.43,-1066.06 -793.34,-1110.15 -712.8,-1110.15 -686.97,-1084.33 -686.97,-1064.16 ; K5.6 K5.6@-1802.13,-1565.02 ; K2.1 -738.94,-992.03 -686.97,-1043.99 -686.97,-1064.16 ; v1(-210.52,-993.11) -281.57,-1064.16 -686.97,-1064.16 ; C11.2 100,-805 111.18,-816.18 ; D1.2@68.46,-549.06 D1.2 70.47,-550 135.47,-615 J6.1 ; U1.13 122.36,-1270.94 184.94,-1333.52 189.15,-1333.52 189.15,-1379.15 v1(230,-1420) 335,-1420 360,-1395 R1.1 ; U1.24 122.36,-827.36 111.18,-816.18 ; P1.1 290,-685 J6.1 ; 111.18,-816.18 220,-707.36 J6.1
  L2 w25: K7.6 -2222.12,-1565.02 -2266.21,-1520.93 -2266.21,-1110.16 K7.1 ; K8.1 -2030,-791.29 -1985.91,-747.2 -1985.91,-474.07 -2030,-429.98 K8.6 ; K5.6 -1802.13,-1565.02 -1846.22,-1520.93 -1846.22,-1110.15 K5.1 ; K6.1 -1565.91,-875.91 -1565.91,-465.13 -1610,-421.04 K6.6 ; K3.6 -1376.06,-1565.02 -1420.15,-1520.93 -1420.15,-1110.15 K3.1 ; K4.1 -1183.94,-791.29 -1139.85,-747.2 -1139.85,-474.07 -1183.94,-429.98 K4.6 ; K1.6 -931.06,-1565.02 -975.15,-1520.93 -975.15,-1110.15 K1.1 ; K2.1 -738.94,-791.29 -694.85,-747.2 -694.85,-474.07 -738.94,-429.98 K2.6 ; J6.1 60,-615 -170,-845 -170,-952.59 v1(-210.52,-993.11) -210.52,-1119.48 90,-1420 v1(230,-1420)
pads on no net: E1.mech1 E1.mech2 E2.mech1 E2.mech2 U1.18

## Polygon pours and split planes (outlines as drawn)
GND on L2 "GND_L02_P000" (solid, pour order 0): -670,-400 -670,-1660 -100,-1660 45,-1515 355,-1515 430,-1440 650,-1440 650,-2130 1130,-2130 1130,170 640,170 640,-455 405,-455 405,-400
GND on L1 "GND_L01_P001" (solid, pour order 1): -670,-400 -670,-1660 -100,-1660 45,-1515 355,-1515 430,-1440 650,-1440 650,-2130 1130,-2130 1130,170 640,170 640,-455 405,-455 405,-400

## Other copper
L1:
  rectangle net GND: 865,-1345 1130,-620
L2:
  rectangle net GND: -82.36,-1160 110,-864.57

## Silkscreen, mask and mechanical layers (free items; w line width, h text height)
Top Overlay:
  text "Cedric Bohemier" at -500,105 h40
  text "Symoon Saad" at -500,23.33 h40
  text "Jared Poole" at -500,-70 h40
  text "Nickolas Reepschlager" at -500,-156.67 h40
  text "GND" at 520,-1375 h25
  text "Capstone" at -490,-2001.67 h40
  text "2022 Rev1" at -485,-2070 h40
Mechanical 1:
  the board outline again, w0

## Text inside footprints (layer, text, board x,y; h text height)
E1: Mechanical 13 "PCB Edge" at 1110,-1585 h24 r90
E2: Mechanical 13 "PCB Edge" at 1099.92,150.08 h24 r90
P1: Top Overlay "7" at 450,-1355 h40 r270; Top Overlay "1" at 450,-605 h40 r270